# Altium PCB mainBord_real.PcbDoc (continued)
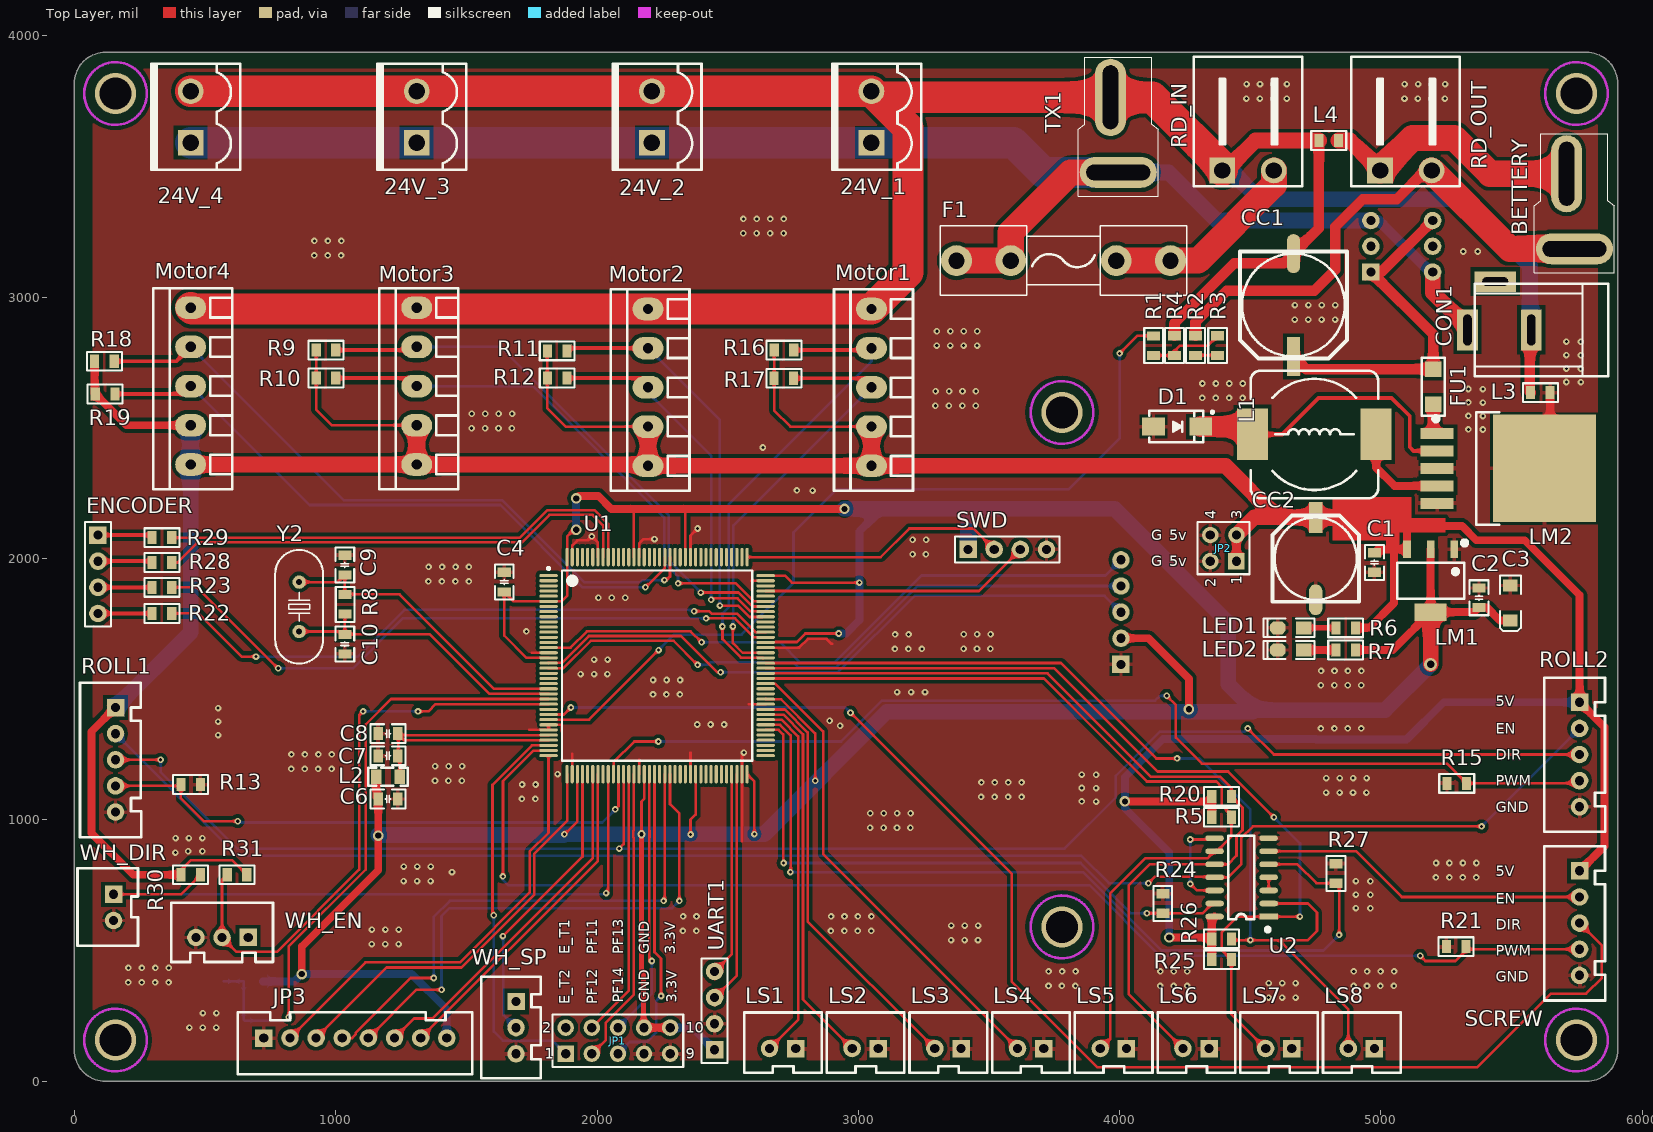
[diagram p0: Top Layer view]
## Part data (continued)
WH_EN WH_SP: library part "Header 3", "3P接插件", BOM名称=3P接, 学习资源=www.ooocke.
Y2: "Crystal Oscillator", LatestRevisionDate=17-Jul-2002, LatestRevisionNote="Re-released for DXP Platform.", PackageDescription="Crystal, Thru-Hole; 2 Leads; Body 3.1 x 8.2 mm (Dia.xH)", PackageReference=R38, Published=8-Jun-2000, Publisher="Altium Limited"
L2: Code_IEC=1005, Code_JEITA=0402, LatestRevisionDate=29-May-2009, LatestRevisionNote="IPC-7351 Footprint Added.", PackageDescription="Chip Inductor", PackageReference=0402-A, Published=8-Jun-2000, Publisher="Altium Limited"

## Free pads (board coordinates)
  round 157.48 hole 122.05: 5(3779.53,590.55) 6(3779.53,2559.06) M3(157.48,157.48) M3(157.48,3779.53) M3(5748.03,157.48) M3(5748.03,3779.53)

## Via types
v1: diameter 25, hole 12, Top Layer to Bottom Layer, 353 vias
v2: diameter 40, hole 24, Top Layer to Bottom Layer, 8 vias
v3: diameter 32, hole 16, Top Layer to Bottom Layer, 1 vias
v4: diameter 50, hole 28, Top Layer to Bottom Layer, 1 vias

## Nets (pads, with @x,y where several pads share a name; then routed paths per layer and width w, separated by ;. In a path a pad name is that pad's centre, name@x,y a point inside that pad or via, vN(x,y) a via of type N, cw(c..) or ccw(c..) an arc to the next point about the centre after c; other vN are vias at no path point)
3.3V: C2.1 C3.1 C4.2 C6.1 JP1.8 JP1.10 JP3.8 L2.1 LM1.2 R7.2 R14.2 ROCKER1.2 SWD.1 U1.6 U1.17 U1.39 U1.52 U1.62 U1.72 U1.84 U1.95 U1.108 U1.121 U1.131 U1.144 UART1.1 | length 15909
  Top Layer w10: U1.17 1730.12,1619.88 1645,1705 C4.2 1681.18,1836.42 U1.6 1864.76,1836.42 1885.35,1857.01 U1.144 1885.35,2085.35 1910,2110 v2(1920,2110) ; v1(1875,945) 1924.72,994.72 U1.39 ; 2130,2190 2141.26,2178.74 U1.131 ; v3(2170,945) 2170,1070 2180.63,1080.63 U1.52 ; 2330,2190 2338.11,2181.89 U1.121 ; v1(2357.8,944.09) 2357.8,1000.75 2377.48,1020.43 U1.62 ; U1.72 2602.07,1147.26 v1(2602.07,945.67) ; U1.84 2645.98,1461.62 2704.75,1461.62 2835,1331.37 v1(2835,1150) ; U1.95 2645.98,1679.72 2683.46,1679.72 2683.46,1680.62 2764.51,1680.62 2797.13,1713.24 v1(2925,1713.24) ; U1.108 2718.66,1934.84 2745.77,1907.73 v1(3003.87,1907.73)
  Top Layer w20: v3(2170,945) 2170,425 2177.5,417.5 JP1.8@2177.5,207.5
  Top Layer w30: v2(870,410) 870,515 1162.6,807.6 v2(1162.6,940.01) C6.1 1155,1087.59 L2.1 ; v2(1920,2230) 1930,2240 2005,2240 2055,2190 2130,2190 2330,2190 v2(2947.09,2190) ; JP1.8@2177.5,207.5 JP1.8 JP1.10 ; ROCKER1.2 4110,1695 4265,1540 v2(4265,1423.03) ; R7.2 5045,1650 LM1.2@5190,1795 ; LM1.2@5190,2035 LM1.2@5190,1795 ; C3.1 5455,1763.07 5405.48,1812.6 C2.1 5357.41,1795 LM1.2@5190,1795
  Top Layer w60: v4(5190,1595) LM1.2@5190,1795
  Bottom Layer w30: R14.2 842,382 v2(870,410) 1290,410 1425,275 JP3.8 ; v2(1920,2110) v2(1920,2230) ; JP1.10 2365,205 UART1.1 ; v1(2925,1713.24) 2953.44,1713.24 3003.87,1763.68 v1(3003.87,1907.73) 3003.87,2103.87 3090,2190
  Bottom Layer w60: v2@1162.7,942.5 1872.5,942.5 v1(1875,945) v3(2170,945) 2640,945 3108.23,1413.23 4508.23,1413.23 4515,1420 ; v2(2947.09,2190) 3090,2190 3406.47,2190 ; SWD.1 3420,2190 3980.79,2190 4415,1755.79 4415,1520 4515,1420 ; v4(5190,1595) 5015,1420 4515,1420
5V: C1.1 CC2.1 JP2.1 JP2.3 L1.2 LM1.3 LM2.4 Motor1.1 Motor1.2 Motor2.1 Motor2.2 Motor3.1 Motor3.2 Motor4.1 Motor4.2 R5.2 R6.2 R9.2 R10.2 R11.2 R12.2 R16.2 R17.2 R18.2 R19.2 R20.1 R25.2 R26.1 R30.2 R31.2 ROLL1.1 ROLL2.1 SCREW.1 U2.14 | length 16229.8
  Top Layer w10: R30.2 407.6,807.6 445,845 604.8,845 R31.2 ; R9.2 R10.2 925.47,2569.53 985,2510 Motor3.2 ; R11.2 R12.2 1810.2,2574.73 1879.92,2505 Motor2.2 ; R16.2 2678.07,2690.53 R17.2 2677.53,2567.47 2740,2505 Motor1.2
  Top Layer w30: R18.2 77.6,2632.4 R19.2 80,2629.78 199.78,2510 Motor4.2 ; ROLL1.1 65,1337.52 65,950 225,790 R30.2 ; v2(4020,1070.59) 4333.19,1070.59 R20.1 R5.2 ; v2(4190,550) 4347.59,550 R26.1 ; R25.2 R26.1 ; U2.14 4352.6,619.2 R26.1 ; JP2.1 JP2.3 ; R6.2 4955,1735 5050,1830 5050,2035 LM1.3 5099.45,2104.45 ; C1.1 4987.59,2035 5030,2035 ; L1.2 4981.22,2348.78 5051.93,2278.07 LM2.4 ; 5205,2125 5310,2125 5365,2070 5550,2070 5760,1860 ROLL2.1 5855,1355 5855,900 SCREW.1
  Top Layer w60: Motor4.1 Motor3.1 ; Motor3.2 Motor3.1 ; Motor2.2 2195,2365 Motor2.1@2190,2360 ; Motor1.2 Motor1.1 ; JP2.3 4514.47,2157.48 4602.52,2157.48 ; 4910,2199.96 4867.52,2157.48 CC2.1 4602.52,2157.48 ; Motor3.1 Motor2.1@2190,2360 ; Motor2.1@2190,2360 Motor2.1 Motor1.1 ; Motor1.1 4405,2355 4602.52,2157.48
  Bottom Layer w30: v2(4190,550) 4190,875 4020,1045 v2(4020,1070.59) 4020,1163.17 4166.83,1310 4749.9,1310 4752.4,1307.5 5097.5,1307.5 5240,1450 ROLL2.1
  Bottom Layer w60: ROLL1.1 445,1717.52 Motor4.1 Motor4.2
24V: FU1.2 LM2.1 | length 117.4
  Top Layer w40: FU1.2 5200,2493.86 LM2.1
CLK1: JP3.6 U1.42 | length 1365.3
  Top Layer w10: JP3.6 1300,240 1370,240 1983.78,853.78 U1.42
CLK2: JP3.2 U1.36 | length 1711.8
  Top Layer w10: JP3.2 825,172.39 825.11,172.5 841.54,172.5 841.54,182.5 1114.04,455 1475,455 1742,722 1742,878.11 1814.49,950.6 U1.36
DATA1: JP3.5 U1.57 | length 2072.6
  Top Layer w10: JP3.5 1310,350 v1(1405,350) ; U1.57 2279.06,1060 2315,1024.06 v1(2315,690)
  Bottom Layer w10: v1(1405,350) 1405,632.15 1435.35,662.5 2287.5,662.5 v1(2315,690)
DATA2: JP3.4 U1.56 | length 2074
  Top Layer w10: JP3.4 1062.4,165 1076.54,179.14 1076.54,185.07 1286.46,395 v1(1375,395) ; v1(2255,690) 2259.37,694.37 U1.56
  Bottom Layer w10: v1(1375,395) 1375,627.6 1437.4,690 v1(2255,690)
DRIVER_OUT1: Motor1.4 R16.1 U1.92 | length 1834.8
  Top Layer w10: v1(2480,1740) 2480,1691.63 2550.97,1620.66 2633.44,1620.66 U1.92@2635,1619.1
  Top Layer w15: R16.1 3042.4,2797.4 Motor1.4
  Bottom Layer w10: v1(2480,1740) 2480,1790 2503.41,1813.41 2503.41,2206.61 3050,2753.21 Motor1.4
DRIVER_OUT2: Motor1.3 R17.1 U1.93 | length 1650.3
  Top Layer w10: v1(2520,1740) 2520,1677.09 2557.52,1639.57 U1.93
  Top Layer w15: R17.1 3015,2690 Motor1.3
  Bottom Layer w10: v1(2520,1740) 2521.41,1741.41 2521.41,2126.41 Motor1.3
DRIVER_OUT3: Motor2.4 R11.1 U1.100 | length 1594.5
  Top Layer w10: v1(2470,1820) 2540,1820 2583.42,1776.58 U1.100@2633.44,1776.58
  Top Layer w15: R11.1 1895,2805 Motor2.4
  Bottom Layer w10: Motor2.4 2470,2530 v1(2470,1820)
DRIVER_OUT4: Motor2.3 R12.1 U1.101 | length 1468.9
  Top Layer w10: v1(2436.54,1842.52) 2441.52,1847.5 2537.96,1847.5 2587.63,1797.83 2644.42,1797.83 U1.101
  Top Layer w15: R12.1 2159.47,2690.53 Motor2.3
  Bottom Layer w10: Motor2.3 2195,2635 2436.54,2393.46 v1(2436.54,1842.52)
DRIVER_OUT5: Motor3.4 R9.1 U1.102 | length 2162.8
  Top Layer w10: v1(2397.17,1870) 2540.89,1870.02 2594.18,1816.73 U1.102
  Top Layer w15: R9.1 1297.4,2797.4 Motor3.4
  Bottom Layer w10: Motor3.4 1630,2810 2275,2165 2275,1992.17 v1(2397.17,1870)
DRIVER_OUT6: Motor3.3 R10.1 U1.103 | length 2085.1
  Top Layer w10: v1(2310,1905) 2531.37,1905 2599.17,1837.2 U1.103@2615,1837.2
  Top Layer w15: R10.1 1279.46,2690.54 Motor3.3
  Bottom Layer w10: Motor3.3 1754.54,2660 2257,2157.54 2257,1984.71 2310,1931.71 v1(2310,1905)
DRIVER_OUT7: Motor4.4 R18.1 U1.124 | length 2605.6
  Top Layer w10: v1(2258.08,1917.5) 2265.5,1917.5 2279.06,1931.06 U1.124
  Top Layer w15: R18.1 390,2755 Motor4.4
  Bottom Layer w10: Motor4.4 1032,2223 1637.46,2223 1950.46,1910 2166.11,1910 2173.61,1917.5 v1(2258.08,1917.5)
DRIVER_OUT8: Motor4.3 R19.1 U1.125 | length 2508.1
  Top Layer w10: v1(2185,1890) 2259.37,1964.37 U1.125
  Top Layer w15: R19.1 415,2630 Motor4.3
  Bottom Layer w10: Motor4.3 900,2205 1630,2205 1945,1890 v1(2185,1890)
Encoder1: R29.2 U1.136 | length 1862.4
  Top Layer w10: R29.2 1705,2080 1810,2185 1990.14,2185 2042.83,2132.31 U1.136
Encoder2: R28.2 U1.137 | length 1863.7
  Top Layer w10: R28.2 395,1985 472,2062 1712.45,2062 1817.46,2167 1982.68,2167 2023.15,2126.54 U1.137
Encoder3: R23.2 U1.96 | length 2510.3
  Top Layer w10: R23.2 468.89,1890 778.89,1580 v1(780,1580) ; v1(2417.56,1770.98) 2527.91,1770.98 2600.27,1698.62 U1.96
  Bottom Layer w10: v1(780,1580) 1065.46,1580 1256.43,1770.98 v1(2417.56,1770.98)
Encoder4: R22.2 U1.97 | length 2450.4
  Top Layer w10: R22.2 475,1790 640,1625 v1(695,1625) ; v1(2371.52,1798.48) 2428.95,1798.48 2438.45,1788.98 2535.37,1788.98 2606.04,1718.31 U1.97
  Bottom Layer w10: v1(695,1625) 1085,1625 1263.48,1803.48 2366.52,1803.48 v1(2371.52,1798.48)
EXT_IO_1: JP1.4 U1.49 | length 1029.1
  Top Layer w10: JP1.4 2121.57,346.57 2121.57,924.13 2121,924.7 2121,965.3 2121.57,965.87 U1.49
EXT_IO_2: JP1.3 U1.50 | length 1138.7
  Top Layer w10: JP1.3 2033.5,158.5 2033.5,224.26 2141.26,332.02 2141.26,929.9 2139,932.16 2139,957.84 2141.26,960.1 U1.50
EXT_IO_3: JP1.6 U1.53 | length 1034.5
  Top Layer w10: U1.53 2200.32,958.53 2201,957.84 2201,932.16 2200.32,931.47 2200.32,459.69 2200.63,460 v1(2210,460)
  Bottom Layer w10: JP1.6 2210,335 v1(2210,460)
EXT_IO_4: JP1.5 U1.54 | length 1187.2
  Top Layer w10: U1.54 2220,494.06 2245,469.06 v1(2245,326.04)
  Bottom Layer w10: JP1.5 2125,150 2159.24,150 2160.74,151.5 2192.25,151.5 2226.5,185.74 2226.5,307.54 v1(2245,326.04)
EXT_TIM1: JP1.1 U1.34 | length 1533.4
  Top Layer w10: v1(1605,635) 1600,640 1600,1134.07 1751.17,1285.24 U1.34
  Bottom Layer w10: v1(1605,635) 1605,190 1640,155 1830,155 JP1.1
GND: C1.2 C2.2 C3.2 C4.1 C6.2 C7.2 C8.2 C9.1 C10.1 C11.1 CC2.2 D1.1 JP1.7 JP1.9 JP2.2 JP2.4 JP3.1 L3.1 LED1.2 LED2.2 LM1.1 LM2.3 LM2.5 LS1.1 LS2.1 LS3.1 LS4.1 LS5.1 LS6.1 LS7.1 LS8.1 R13.2 R15.2 R21.2 R24.1 R27.1 Reset1.2 ROCKER1.1 ROLL1.5 ROLL2.5 SCREW.5 SWD.4 U1.16 U1.30 U1.31 U1.38 U1.51 U1.61 U1.71 U1.83 U1.94 U1.107 U1.120 U1.130 U1.138 U1.143 U2.7 UART1.2 WH_DIR.2 WH_EN.3 WH_SP.3 | length 1917.8
  Top Layer w10: 1740.46,1344.29 U1.31 ; 1750.43,1639.57 U1.16 ; U1.31@1814.49,1349.61 U1.30 1865.41,1363.98 ; U1.38 1905.04,1252.86 ; U1.143 1905.82,2006.49 1905.82,2050.82 1925,2070 1965,2070 v1(1980,2085) 2003.46,2061.54 U1.138 ; U1.51 2160.94,1230.09 ; U1.130 2160.94,2058.15 2177.3,2074.5 v1(2220,2074.5) ; U1.61 2357.8,1256.69 ; U1.120 2357.8,2087.8 v1(2385,2115) ; 2554.65,918.22 U1.71 2554.65,1249.95 v1(2562.09,1257.39) ; 2581.42,1442.72 U1.83 ; 2589.84,1915.16 U1.107 ; U1.94 2768.6,1659.25 ; 2769.38,1660.03 2768.6,1659.25 ; 2899.96,1673.49 2897.5,1673.49 2878.46,1692.53 2807.1,1692.53 2773.82,1659.25 2768.6,1659.25
  Top Layer w30: LM2.3@5625,2345 5647.4,2367.4 L3.1
  other v1: 440,205 491.47,205 542.94,205 492.06,260.35 543.53,260.35 4570,320 4621.47,320 4672.94,320 3727.63,364.65 3779.1,364.65 3830.57,364.65 4155,364.65 4206.47,364.65 4257.94,364.65 4895,364.65 4946.47,364.65 4997.94,364.65 5049.41,364.65 4570.59,375.35 4622.06,375.35 4673.53,375.35 206.24,378.34 257.71,378.34 309.18,378.34 360.65,378.34 3728.22,420 3779.69,420 3831.16,420 4155.59,420 4207.06,420 4258.53,420 4895.59,420 4947.06,420 4998.53,420 5050,420 206.83,433.69 258.3,433.69 309.77,433.69 361.24,433.69 1137.94,524.65 1189.41,524.65 1240.88,524.65 3355,540 3406.47,540 3457.94,540 2328.66,575 2380.13,575 2895,575 2946.47,575 2997.94,575 3049.41,575 1138.53,580 1190,580 1241.47,580 3355.59,595.35 3407.06,595.35 3458.53,595.35 2329.25,630.35 2380.72,630.35 2895.59,630.35 2947.06,630.35 2998.53,630.35 3050,630.35 4959.53,662.05 4904.18,662.64 4959.53,713.52 4904.18,714.11 4959.53,764.99 1260,765.58 1311.47,765.58 1362.94,765.58 4904.18,765.58 5210,779.65 5261.47,779.65 5312.94,779.65 5364.41,779.65 1445,800 1260.59,820.93 1312.06,820.93 1363.53,820.93 5210.59,835 5262.06,835 5313.53,835 5365,835 386.47,874.65 435,880 490,880 387.06,930 438.53,930 490,930 3045,970 3096.47,970 3147.94,970 3199.41,970 3045.59,1025.35 3097.06,1025.35 3148.53,1025.35 3200,1025.35 3910,1070 3854.65,1070.59 1712.76,1080 1764.23,1080 3470,1087.82 3521.47,1087.82 3572.94,1087.82 3624.41,1087.82 4790,1104.65 4841.47,1104.65 4892.94,1104.65 4944.41,1104.65 3854.65,1122.06 3910,1121.47 1713.35,1135.35 1764.82,1135.35 3470.59,1143.17 3522.06,1143.17 3573.53,1143.17 3625,1143.17 1380,1150 1431.47,1150 1482.94,1150 4790.59,1160 4842.06,1160 4893.53,1160 4945,1160 3910,1172.94 3854.65,1173.53 1849.42,1175 830,1195 881.47,1195 932.94,1195 984.41,1195 1380.59,1205.35 1432.06,1205.35 1483.53,1205.35 830.59,1250.35 882.06,1250.35 933.53,1250.35 985,1250.35 550,1324.61 4770,1350 4821.47,1350 4872.94,1350 4924.41,1350 2930.47,1360 2383.3,1365 2434.77,1365 2486.24,1365 550,1376.08 2890,1379.61 550,1427.55 2214.24,1480 2265.71,1480 2317.18,1480 3148.53,1488.73 3201.76,1488.73 3255,1488.73 4770,1515 4821.47,1515 4872.94,1515 4924.41,1515 2214.83,1535.35 2266.3,1535.35 2317.77,1535.35 1937.06,1557.82 1988.53,1557.82 2040,1557.82 4770.59,1570.35 4822.06,1570.35 4873.53,1570.35 4925,1570.35 1989.12,1613.17 2040.59,1613.17 3140,1654.38 3191.47,1654.38 3242.94,1654.38 3402.56,1655 3454.03,1655 3505.5,1655 3140.59,1709.73 3192.06,1709.73 3403.15,1710.35 3454.62,1710.35 3506.09,1710.35 1730,1721.5 2005,1850 2056.47,1850 2107.94,1850 1355,1912.73 1406.47,1912.73 1457.94,1912.73 1509.41,1912.73 1355.59,1968.08 1407.06,1968.08 1458.53,1968.08 1510,1968.08 3207.32,2016.75 3258.78,2016.75 3207.91,2072.09 3259.38,2072.09 2825,2260 2765,2260.57 2635,2425 5390,2493.86 5334.65,2494.45 1520,2498.57 1571.47,2498.57 1622.94,2498.57 1674.41,2498.57 5334.65,2545.92 5390,2545.33 1520.59,2553.92 1572.06,2553.92 1623.53,2553.92 1675,2553.92 3295,2585 3346.47,2585 3397.94,2585 3449.41,2585 5390,2596.8 5334.65,2597.39 4316.03,2614.6 4367.5,2614.6 4418.97,2614.6 4470.44,2614.6 3295.59,2640.35 3347.06,2640.35 3398.53,2640.35 3450,2640.35 5334.65,2648.86 5390,2648.27 4316.62,2669.95 4368.09,2669.95 4419.56,2669.95 4471.03,2669.95 5765,2675 5709.65,2675.59 5709.65,2727.06 5765,2726.47 5765,2777.94 5709.65,2778.53 3300,2814.72 3351.47,2814.72 3402.94,2814.72 3454.41,2814.72 5709.65,2830 5765,2829.41 3300.59,2870.07 3352.06,2870.07 3403.53,2870.07 3455,2870.07 4670,2914.65 4721.47,2914.65 4772.94,2914.65 4824.41,2914.65 4670.59,2970 4722.06,2970 4773.53,2970 4825,2970 918,3160 969.47,3160 1020.94,3160 5315,3175 5370,3175 918.59,3215.35 970.06,3215.35 1021.53,3215.35 2559.41,3244.65 2610.88,3244.65 2662.35,3244.65 2713.82,3244.65 2560,3300 2611.47,3300 2662.94,3300 2714.41,3300 4485,3760 4536.47,3760 4587.94,3760 4639.41,3760 5090,3760 5141.47,3760 5192.94,3760 5244.41,3760 4485.59,3815.35 4537.06,3815.35 4588.53,3815.35 4640,3815.35 5090.59,3815.35 5142.06,3815.35 5193.53,3815.35 5245,3815.35
LIMIT_SW1: LS1.2 U1.80 | length 1392.2
  Top Layer w10: U1.80 2660,1383.66 2660,1382.88 2707.12,1382.88 2770,1320 2770,235 LS1.2
LIMIT_SW2: LS2.2 U1.81 | length 1455.2
  Top Layer w10: U1.81 2645.2,1402.57 2712.89,1402.57 2788,1327.46 2788,313.43 LS2.2
LIMIT_SW3: LS3.2 U1.82 | length 1609.3
  Top Layer w10: U1.82 2645.2,1422.25 2718.66,1422.25 2806,1334.91 2806,611.86 LS3.2
LIMIT_SW4: LS4.2 U1.87 | length 1817.7
  Top Layer w10: U1.87 2645.2,1520.68 2682.56,1520.68 2865,1338.23 2865,869.29 LS4.2
LIMIT_SW5: LS5.2 R5.1 U1.88 U2.9 | length 3286
  Top Layer w10: U1.88 3709.99,1541.14 3957.87,1293.26 4104.13,1147 4369.7,1147 4390,1126.7 4390,1056 4427.4,1018.6 R5.1 4427.4,935.71 4371.7,880 U2.9 4337.22,853.83 4098.83,853.83 3963.68,718.68 3963.68,162.97 LS5.2
LIMIT_SW6: LS6.2 R20.2 U1.89 U2.10 | length 3420.1
  Top Layer w10: U1.89 3724.17,1560.83 4120,1165 4385,1165 4427.4,1122.6 R20.2 4470,1047.4 4470,960.46 4447,937.46 4447,862.95 4414.05,830 U2.10 4115,830 4035,750 4035,332.14 LS6.2
LIMIT_SW7: LS7.2 R25.1 U1.90 U2.1 | length 3441.3
  Top Layer w10: U1.90 3749.49,1580.51 4145,1185 4414.92,1185 v1(4589.92,1010) ; LS7.2 4427.4,256.17 R25.1 4390,502.41 4390,568.48 4451.52,630 U2.1 v1(4690,630)
  Bottom Layer w10: v1(4589.92,1010) 4690,909.92 v1(4690,630)
LIMIT_SW8: LS8.2 R26.2 U1.91 U2.2 | length 3725.2
  Top Layer w10: U1.91 3774.8,1600.2 4140,1235 v1(4220,1235) ; R26.2 4432.4,540 v1(4500,540) 4610,540 ; U2.2 4720,680 4755,645 4755,575 4720,540 4610,540 ; LS8.2 4875,275 4610,540
  Bottom Layer w10: v1(4220,1235) 4305,1235 4500,1040 v1(4500,540)
MR: JP3.3 U1.37 | length 1575.1
  Top Layer w10: JP3.3 1195,435 1480.59,435 1760,714.41 1760,870.66 1885.35,996.01 U1.37
NetCC1_1: CC1.1 FU1.1 SW1.1 SW1.4 | length 1349.4
  Top Layer w40: CC1.1@4660.55,2777.6 CC1.1 4713.15,2725 FU1.1 5200,2858.01 SW1.1 5000.81,3096.57 SW1.4
NetD1_2: D1.2 L1.1 LM2.2 | length 1128.1
  Top Layer w15: L1.1 4620.59,2475 4760.59,2615 5040,2615 5110,2545 5110,2426.93 5125,2411.93 LM2.2
  Top Layer w80: D1.2 4478.78,2505 L1.1
NetENCODER_1: ENCODER.1 R29.1 | length 211.7
  Top Layer w15: ENCODER.1 287.59,2090 R29.1
NetENCODER_2: ENCODER.2 R28.1 | length 209.7
  Top Layer w15: ENCODER.2 292.59,1990 R28.1
NetENCODER_3: ENCODER.3 R23.1 | length 207.6
  Top Layer w15: ENCODER.3 R23.1
NetENCODER_4: ENCODER.4 R22.1 | length 207.6
  Top Layer w15: ENCODER.4 R22.1
NetF1_1: F1.1 RD_IN.2 | length 778.1
  Top Layer w100: F1.1@3986.97,3140 4194.45,3140 4300,3140 4589.92,3429.92 RD_IN.2
NetLED1_1: LED1.1 R6.1 | length 122.6
  Top Layer w20: LED1.1 R6.1
NetLED2_1: LED2.1 R7.1 | length 122.6
  Top Layer w30: LED2.1 R7.1
NetR1_2: R1.2 R3.1 R4.2 | length 286.1
  Top Layer w10: R1.2 4209.72,2777.32 R4.2 4210,2794.72 4230,2814.72 4337.31,2814.72 R3.1
NetR2_1: R2.1 R3.2 | length 85
  Top Layer w10: R2.1 R3.2
NetU2_3: U2.3 U2.4 | length 50
  Top Layer w10: U2.3 U2.4
NetU2_8: U2.8 U2.12 | length 429.8
  Top Layer w10: v1(4270,755) 4295,730 U2.12 U2.12@4395,730 ; v1(4270,925) 4358.39,925 U2.8 U2.8@4392.4,930
  Bottom Layer w10: v1(4270,755) v1(4270,925)
NRST: C11.2 R14.1 Reset1.1 U1.25 | length 2389.8
  Top Layer w10: v1(820,245) 820,515 1115,810 1115,1365 1212.4,1462.4 U1.25
  Bottom Layer w10: C11.2@571.27,382 C11.2 R14.1 647.6,235.82 Reset1.1 817,232 820,235 v1(820,245)
OSC1_IN: C9.2 R8.2 U1.23 Y2.2 | length 1189.9
  Top Layer w10: Y2.2 1007.4,1910 C9.2 1035,1863.36 1245,1863.36 1606.59,1501.77 U1.23
OSC1_OUT: C10.2 R8.1 U1.24 Y2.1 | length 1138.7
  Top Layer w10: Y2.1 1023.78,1721.02 C10.2 ; R8.1@1035,1795 1035,1713.24 C10.2 ; U1.24 1587.91,1482.09 1360.2,1709.8 C10.2
PGND: 24V_1.2 24V_2.2 24V_3.2 24V_4.2 CC1.2 CON1.2 L3.2 L4.1 Motor1.5 Motor2.5 Motor3.5 Motor4.5 R4.1 RD_IN.1 TX1.1 | length 10922.8
  Top Layer w40: R4.1 4210,2901.6 4438.4,3130 4628.15,3130 CC1.2 4762.6,3264.45 L4.1 ; RD_IN.1 RD_IN.1@4405,3485 ; CON1.2@5570,2890 5570,2637.6 L3.2
  Top Layer w60: RD_IN.1@4405,3485 4520,3600 L4.1
  Top Layer w120: Motor4.5 450,2955 Motor2.5 Motor1.5 3190,3095 3190,3648.99 24V_1.2@3073.99,3765 ; 24V_4.2 24V_2.2 24V_3.2 24V_1.2 3050.57,3788.43 24V_1.2@3073.99,3765 ; RD_IN.1 4393.07,3496.93 4125,3765 TX1.1 24V_1.2@3073.99,3765
  Bottom Layer w60: RD_IN.1 4425,3485 4535,3375 5315,3375 5570,3120 CON1.2@5570,2890
PL: JP3.7 U1.43 | length 1291
  Top Layer w10: JP3.7 2003.46,843.46 U1.43
QOEC: R1.1 U1.29 | length 3227.4
  Top Layer w10: U1.29 1969.28,1383.66 v1(2235.62,1650) ; v1(4000,2785) 4067.13,2852.13 R1.1
  Bottom Layer w10: v1(2235.62,1650) 2294.37,1708.75 2553.75,1708.75 2751.85,1906.85 2751.85,2100.13 2916.71,2265 3805,2265 4000,2460 v1(4000,2785)
RK_SW: ROCKER1.5 U1.15 | length 2428.2
  Top Layer w10: U1.15 1899.25,1659.25 1961.5,1721.5 2358.5,1721.5 v1(2400,1680)
  Bottom Layer w10: v1(2400,1680) 2699.8,1680 2777.3,1602.5 2909.26,1602.5 3241.76,1935 3945,1935 ROCKER1.5
RK_Vx: ROCKER1.3 U1.18 | length 2438.2
  Top Layer w10: U1.18 1814.49,1600.98 1866.43,1600.98 1968.96,1703.5 2321.5,1703.5 2460,1565 v1(2473,1565)
  Bottom Layer w10: v1(2473,1565) 2922.67,1565 3215.17,1857.5 3942.5,1857.5 ROCKER1.3
RK_Vy: ROCKER1.4 U1.19 | length 2412.2
  Top Layer w10: U1.19 1871.42,1580.51 1976.41,1685.5 2292.61,1685.5 v1(2385,1593.11)
  Bottom Layer w10: v1(2385,1593.11) 2424.42,1593.11 2433.81,1602.5 2751.85,1602.5 2769.85,1584.5 2916.71,1584.5 3227.21,1895 ROCKER1.4
ROLL_DIR: ROLL1.3 ROLL2.3 U1.48 | length 6343
  Top Layer w10: ROLL1.3 v1(330,1230) ; v1(2085,890) 2101.89,906.89 U1.48 ; v1(4490,1350) 4590,1250 ROLL2.3
  Bottom Layer w10: v1(330,1230) 330,1182.94 622.94,890 v1(2085,890) 3789.41,890 3985,1085.59 3985,1167.77 4155.23,1338 4478,1338 v1(4490,1350)
ROLL_EANBLE: R24.2 U1.78 U2.13 | length 2295.4
  Top Layer w10: U1.78 2694.8,1344.29 2712.5,1326.59 2712.5,836.32 v1(2713.82,835) ; v1(4104.13,642.6) R24.2 4317.69,642.6 4355.09,680 U2.13
  Bottom Layer w10: 2730,835 3850.91,835 4043.31,642.6 v1(4104.13,642.6)
ROLL_EN_OUT: ROLL1.2 ROLL2.2 U2.11 | length 6145.6
  Top Layer w10: v1(4110.2,757.6) 4135.1,782.5 4360.9,782.5 U2.11 4415,780 4465,830 4465,930 4510,975 v1(5385,975)
  Bottom Layer w10: ROLL1.2 624.98,862.5 3853.46,862.5 3958.36,757.6 v1(4110.2,757.6) ; v1(5385,975) ROLL2.2
ROLL_PWM_1: R15.1 ROLL2.4 U1.46 | length 4064.2
  Top Layer w10: U1.46 2063.3,1175.78 2063.3,1220.73 2142.57,1300 v1(2235,1300) ; v1(4180,1475) 4215,1440 4215,1315 4315,1215 5252.41,1215 R15.1 5750,1140 ROLL2.4
  Bottom Layer w10: v1(2235,1300) 2934.19,1300 3090.42,1456.23 4135,1456.23 4153.77,1475 v1(4180,1475)
ROLL_PWM_2: R13.1 ROLL1.4 U1.47 | length 2166.2
  Top Layer w10: ROLL1.4 402.6,1130 R13.1 407.6,1082.4 495,995 v1(624.98,995) ; v1(2070,1040) 2082.2,1052.2 U1.47
  Bottom Layer w10: v1(624.98,995) 629.98,990 2020,990 v1(2070,1040)
SCREW_DIR: SCREW.3 U1.28 | length 5239.8
  Top Layer w10: U1.28 1873.35,1403.35 v1(1900,1430) ; v1(2970,1410) 3587.37,792.63 3587.37,380.11 3913.74,53.74 5368.74,53.74 5650,335 5785,335 5845,395 5845,520 SCREW.3
  Bottom Layer w10: v1(1900,1430) 2950,1430 v1(2970,1410)
SCREW_EN_OUT: SCREW.2 U2.6 | length 1262.4
  Top Layer w10: U2.6 4905,880 5080,705 SCREW.2
SCREW_ENABLE: R27.2 U1.79 U2.5 | length 3376.1
  Top Layer w10: U1.79 2700.57,1363.98 2741.32,1323.23 2741.32,801.32 v1(2740,800) ; U2.5 4680,830 4752.4,757.6 R27.2 4840,745.19 v1(4840,560)
  Bottom Layer w10: v1(2740,800) 3860.46,800 4160.46,500 4780,500 v1(4840,560)
SCREW_PWM: R21.1 SCREW.4 U1.35 | length 4885.8
  Top Layer w10: v1(1640,783.46) 1640,1148.61 1756.16,1264.77 1813.71,1264.77 U1.35 ; v1(5150,480) 5170,460 5285,460 5324.8,499.8 R21.1 5334.81,505 SCREW.4
  Bottom Layer w10: v1(1640,783.46) 1640,770 1660,750 3885,750 4155,480 v1(5150,480)
SWC: SWD.2 U1.109 | length 1024.1
  Top Layer w10: U1.109 3085.74,2005.71 3195.03,2115 3440,2115 SWD.2
SWD: SWD.3 U1.105 | length 1040.8
  Top Layer w10: U1.105 3460.79,1875.79 SWD.3
UART3_RX: U1.70 UART1.3 | length 920.2
  Top Layer w10: UART1.3@2450,290 UART1.3 2534.96,404.96 U1.70
UART3_TX: U1.69 UART1.4 | length 812
  Top Layer w10: UART1.4@2450,390 UART1.4 2515.28,485.28 U1.69
VIN+: BETTERY.2 R2.2 RD_OUT.2 | length 1908.8
  Top Layer w40: R2.2 4290,2905 4410,3025 4745,3025 4824.41,3104.41 4824.41,3269.41 4930,3375 5060,3375 5170,3485 RD_OUT.2
  Top Layer w100: RD_OUT.2 5493.43,3185 BETTERY.2@5685,3185
VIN-: BETTERY.1 L4.2 RD_OUT.1 | length 1029.5
  Top Layer w60: L4.2 4881.58,3600 RD_OUT.1
  Top Layer w100: RD_OUT.1 5121.57,3610 5280,3610 5417.6,3472.4 BETTERY.1
VIN_24: 24V_1.1 24V_2.1 24V_3.1 24V_4.1 CON1.1 F1.2 SW1.3 SW1.6 TX1.2 | length 6039.5
  Top Layer w60: SW1.6 5197.66,3018.25 CON1.1@5325.91,2890
  Top Layer w100: F1.2@3375.55,3140 3583.03,3140 3583.03,3248.03 3812.6,3477.6 TX1.2
  Bottom Layer w40: SW1.3 4991.57,3293.43 5188.43,3096.57 SW1.6
  Bottom Layer w60: TX1.2 4187.4,3477.6 4371.57,3293.43 SW1.3
  Bottom Layer w120: 24V_4.1 24V_2.1 24V_3.1 24V_1.1 3593.43,3591.57 3707.4,3477.6 TX1.2
VREF+: C7.1 C8.1 L2.2 U1.32 U1.33 | length 1327.5
  Top Layer w10: C8.1 1245,1237.41 L2.2 ; C8.1@1240,1245.87 1240,1315 1237.4,1317.6 C7.1 C7.1@1242.8,1324.61 ; U1.33 1262.49,1304.92 C7.1@1242.8,1324.61 ; U1.32 C7.1@1242.8,1324.61
WH_BRAKE: R31.1 U1.26 WH_EN.2 | length 2259
  Top Layer w10: R31.1 565,770 WH_EN.2 620,495 774.54,495 1089.54,810 1089.54,1400.46 1104.09,1415 v1(1105,1415) ; v1(1315,1415) 1355,1415 1382.72,1442.72 U1.26
  Bottom Layer w10: v1(1105,1415) v1(1315,1415)
WH_DIR: R30.1 U1.45 WH_DIR.1 | length 2708.8
  Top Layer w10: WH_DIR.1 407.4,715 R30.1 ; v1(2035,720) 2042.5,727.5 2042.5,1174.67 U1.45
  Bottom Layer w10: WH_DIR.1 2030,715 v1(2035,720)
WH_SPEED: U1.40 WH_SP.2 | length 1116.8
  Top Layer w10: v1(1640,555) 1944.41,859.41 U1.40
  Bottom Layer w10: v1(1640,555) 1641.54,553.46 1641.54,253.46 WH_SP.2
pads on no net: CON1.3 JP1.2 SW1.2 SW1.5 U1.1 U1.2 U1.3 U1.4 U1.5 U1.7 U1.8 U1.9 U1.10 U1.11 U1.12 U1.13 U1.14 U1.20 U1.21 U1.22 U1.27 U1.41 U1.44 U1.55 U1.58 U1.59 U1.60 U1.63 U1.64 U1.65 U1.66 U1.67 U1.68 U1.73 U1.74 U1.75 U1.76 U1.77 U1.85 U1.86 U1.98 U1.99 U1.104 U1.106 U1.110 U1.111 U1.112 U1.113 U1.114 U1.115 U1.116 U1.117 U1.118 U1.119 U1.122 U1.123 U1.126 U1.127 U1.128 U1.129 U1.132 U1.133 U1.134 U1.135 U1.139 U1.140 U1.141 U1.142 WH_EN.1 WH_SP.1

## Polygon pours and split planes (outlines as drawn)
GND on Top Layer "Drill Drawing-No Net" (solid, remove dead copper, pour order 3): 75,3875 70,3870 70,80 5830,80 5830,3875
GND on Bottom Layer "Top Layer-No Net" (solid, remove dead copper, pour order 5): 75,3875 70,3870 70,80 5830,80 5830,3875

## Keep-outs
Keep-Out Layer:
  circle w10: c3779.53,590.55 r120
  circle w10: c3779.53,2559.06 r120
  circle w10: c5748.03,157.48 r120
  circle w10: c157.48,157.48 r120
  circle w10: c5748.03,3779.53 r120
  circle w10: c157.48,3779.53 r120

## Other copper
Top Layer:
  region net 5V: 4815,2235 4815,2070 5020,2070 5020,2020 5070,2020 5070,2100 5245,2100 5245,2155 5115,2155 5115,2235

## Silkscreen, mask and mechanical layers (free items; w line width, h text height)
Top Overlay:
  text "G" at 4120,2070 h40
  text "5v" at 4190,2070 h40
  text "G" at 4120,1970 h40
  text "5v" at 4190,1970 h40
  text "5V" at 5440,1435 h40
  text "EN" at 5440,1330 h40
  text "DIR" at 5440,1230 h40
  text "PWM" at 5440,1130 h40
  text "GND" at 5440,1030 h40
  text "5V" at 5440,785 h40
  text "EN" at 5440,680 h40
  text "DIR" at 5440,580 h40
  text "E_T1" at 1895,485 h40 r90
  text "PF11" at 2000,485 h40 r90
  text "PF13" at 2100,485 h40 r90
  text "GND" at 2200,485 h40 r90
  text "3.3V" at 2300,485 h40 r90
  text "PWM" at 5440,480 h40
  text "GND" at 5440,380 h40
  text "PF14" at 2100,300 h40 r90
  text "GND" at 2200,300 h40 r90
  text "3.3V" at 2305,300 h40 r90
  text "E_T2" at 1895,295 h40 r90
  text "PF12" at 2000,295 h40 r90
Mechanical 1:
  the board outline again, w10

## Text inside footprints (layer, text, board x,y; h text height)
JP1: Top Overlay "2" at 1790,185 h40; Top Overlay "1" at 1800,85 h40; Top Overlay "9" at 2340,85 h40; Top Overlay "10" at 2340,185 h40
JP2: Top Overlay "1" at 4466.99,1900 h40 r90; Top Overlay "2" at 4366.99,1890 h40 r90; Top Overlay "4" at 4366.99,2150 h40 r90; Top Overlay "3" at 4466.99,2150 h40 r90